# KiCad board cqa02303v4_cad.kicad_pcb (continued)
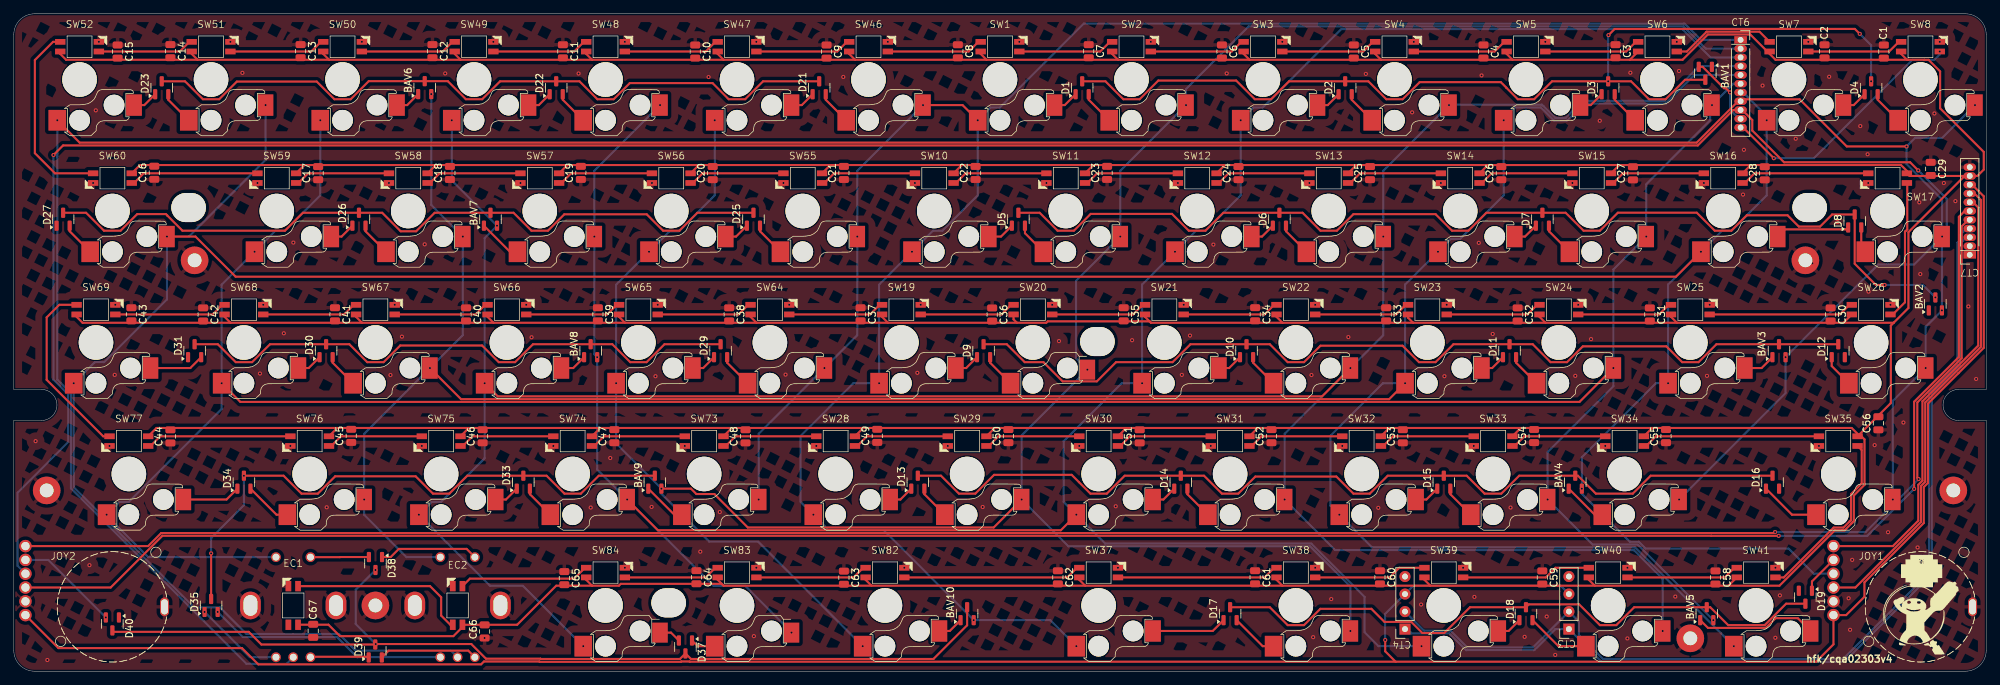
[diagram p0: board, top side]
## Nets (continued)
Net-(D73-DOUT): D73.2 D74.4
Net-(D74-DOUT): D74.2 D75.4
Net-(D75-DOUT): D75.2 D76.4
Net-(D76-DOUT): D76.2 D77.4
Net-(D77-DOUT): D77.2 D78.4
Net-(D78-DOUT): D78.2 D79.4
Net-(D79-DOUT): D79.2 D80.4
Net-(D80-DOUT): D80.2 D81.4
Net-(D81-DOUT): D81.2 D82.4
Net-(D82-DOUT): D82.2 D83.4
Net-(D83-DOUT): D83.2 D84.4
Net-(D84-DOUT): D84.2 D85.4
Net-(D85-DOUT): D85.2 D86.4
Net-(D86-DOUT): D86.2 D87.4
Net-(D87-DOUT): D87.2 D88.4
Net-(D88-DOUT): D88.2 D89.4
Net-(D89-DOUT): D89.2 D90.4
Net-(D90-DOUT): D90.2 D91.4
Net-(D91-DOUT): D91.2 D92.4
Net-(D92-DOUT): D92.2 D93.4
Net-(D93-DOUT): D93.2 D94.4
Net-(D94-DOUT): D94.2 D95.4
Net-(D95-DOUT): D95.2 D96.4
Net-(D96-DOUT): D96.2 D98.4
Net-(D98-DOUT): D98.2 D99.4
Net-(D100-DIN): D99.2 D100.4
Net-(D100-DOUT): D100.2 D101.4
Net-(D101-DOUT): D101.2 D102.4
Net-(D102-DOUT): D102.2 D103.4
Net-(D103-DOUT): D103.2 D104.4
Net-(D104-DOUT): D104.2 D105.4
Net-(D105-DOUT): D105.2 D106.4
Net-(D106-DOUT): D106.2 D107.4
Net-(JOY1-AD1): CT7.7 JOY1.1
Net-(JOY1-AD2): CT7.8 JOY1.4
Net-(JOY2-AD1): CT7.5 JOY2.1
Net-(JOY2-AD2): CT7.6 JOY2.4

Pads without a net: CT7 1 2; D107 2

## Via types
v1: diameter 0.6, hole 0.3, Top to Bottom, 248 vias

## Routing (per net, layer and track width the routed paths; a pad name or vN(x,y) marks a point on that pad's centre or on a via; arc(x,y) is an arc through that point)
+3V3R: length 379.9
  Top w0.3: 200.19,1.37 97.93,1.37 97.9,1.41 96.71,1.41 96.66,1.36 76.18,1.36 76.13,1.41 68.12,1.41 67.7,0.99 35.42,0.99 33.06,3.35 6.46,3.35 JOY2.6 ; 200.19,1.37 261.11,1.37 263.62,3.89 JOY1.6 265.45,8.12 268.11,10.78 268.11,12.87 276.71,21.47 276.71,26.68 277.31,27.28 277.31,38.77 285.4,46.85 285.4,68.8 283.72,70.49 ; 200.19,1.37 198.68,2.88 v1(198.68,4.52)
  Bottom w0.3: CT3.3 224.1,12.38 202.75,12.38 CT4.3 198.66,8.29 198.66,4.54 v1(198.68,4.52)
+5VD: length 1459.6
  Top w0.3: 145.33,50.49 126.64,50.49 ; 145.33,50.49 144.84,50.98 D76.1 ; 145.33,50.49 149.58,50.49 149.79,50.69 164.54,50.69 164.74,50.49 ; 126.64,50.49 107.59,50.49 ; 126.64,50.49 125.79,51.34 D77.1 ; D49.1 121.03,89.44 121.88,88.59 ; D73.1 201.99,51.22 202.72,50.49 ; 64.73,88.59 45.68,88.59 ; 64.73,88.59 83.78,88.59 ; 64.73,88.59 63.87,89.44 D52.1 ; 45.68,88.59 26.63,88.59 ; 45.68,88.59 44.82,89.44 D53.1 ; 123.06,35.24 D89.1 ; 123.06,35.24 104.01,35.24 ; 123.06,35.24 142.11,35.24 ; 183.79,50.49 164.74,50.49 ; 183.79,50.49 182.94,51.34 D74.1 ; 183.79,50.49 202.72,50.49 ; 164.74,50.49 163.89,51.34 D75.1 ; 218.31,35.24 D94.1 ; 218.31,35.24 199.26,35.24 ; 218.31,35.24 237.36,35.24 ; 118.3,73.34 99.25,73.34 ; 118.3,73.34 137.35,73.34 ; 118.3,73.34 D61.1 ; 99.25,73.34 80.2,73.34 ; 99.25,73.34 D60.1 ; D81.1 49.59,51.34 50.44,50.49 ; 265.08,50.49 272.34,50.49 272.38,50.52 ; 265.08,50.49 D70.1 ; 265.08,50.49 240.94,50.49 ; 248.41,12.39 229.04,12.39 ; 248.41,12.39 D98.1 ; 248.41,12.39 255.8,12.39 263.82,20.41 265.24,20.41 266.57,21.74 266.57,25.45 268.12,27 268.12,33.59 267.67,34.04 ; 229.04,12.39 228.18,13.24 D99.1 ; 229.04,12.39 205.22,12.39 ; D100.1 204.37,13.24 205.22,12.39 ; 234.12,88.59 241.76,88.59 245.43,92.26 251.57,92.26 254.04,89.79 ; 234.12,88.59 217.13,88.59 ; 234.12,88.59 D43.1 ; D42.1 254.38,89.44 255.23,88.59 274.46,88.59 ; D103.1 123.41,13.24 124.26,12.39 ; 104.01,35.24 D88.1 ; 104.01,35.24 84.96,35.24 ; 142.11,35.24 D90.1 ; 142.11,35.24 161.16,35.24 ; 31.39,50.49 9.96,50.49 9.11,51.34 D83.1 ; 31.39,50.49 50.44,50.49 ; 31.39,50.49 30.54,51.34 D82.1 ; D55.1 6.73,89.44 7.58,88.59 26.63,88.59 ; 274.46,88.59 274.28,88.59 273.42,89.44 D41.1 ; 274.46,88.59 276.8,88.59 276.81,88.58 277.41,88.58 279.08,86.91 279.08,81.56 285.4,75.23 285.4,72.68 284.47,71.76 CT7.10 274.64,71.76 D69.1 274.26,72.48 273.41,73.34 251.65,73.34 ; 83.78,12.39 83.78,12.39 78.59,12.39 72.92,6.73 D106.1 64.99,6.39 63.69,5.08 47.24,5.08 45.58,6.74 41.2,6.74 D107.1 ; 83.78,12.39 82.93,13.24 D105.1 ; 83.78,12.39 87.67,12.39 87.94,12.66 102.56,12.66 102.83,12.39 ; 205.22,12.39 183.79,12.39 ; 183.79,12.39 155.22,12.39 ; 183.79,12.39 182.94,13.24 D101.1 ; 179.03,88.59 159.98,88.59 ; 179.03,88.59 198.08,88.59 ; 179.03,88.59 178.18,89.44 D46.1 ; 159.98,88.59 159.12,89.44 D47.1 ; 159.98,88.59 140.93,88.59 ; 102.83,12.39 124.26,12.39 ; 102.83,12.39 101.97,13.24 D104.1 ; D48.1 140.08,89.44 140.93,88.59 ; 26.63,88.59 25.77,89.44 D54.1 ; 156.4,73.34 137.35,73.34 ; 156.4,73.34 D63.1 ; 156.4,73.34 175.45,73.34 ; 137.35,73.34 D62.1 ; 282.62,71.76 274.48,63.61 274.48,52.62 272.38,50.52 ; 83.78,88.59 82.93,89.44 D51.1 ; 83.78,88.59 102.83,88.59 ; 107.59,50.49 88.54,50.49 ; 107.59,50.49 106.74,51.34 D78.1 ; 88.54,50.49 69.49,50.49 ; 88.54,50.49 87.69,51.34 D79.1 ; 202.72,50.49 221.89,50.49 ; 213.55,73.34 D66.1 ; 213.55,73.34 194.5,73.34 ; 213.55,73.34 232.6,73.34 ; 121.88,88.59 102.83,88.59 ; 121.88,88.59 140.93,88.59 ; 102.83,88.59 101.97,89.44 D50.1 ; 84.96,35.24 D87.1 ; 84.96,35.24 65.91,35.24 ; 217.13,88.59 216.28,89.44 D44.1 ; 217.13,88.59 198.08,88.59 ; 65.91,35.24 D86.1 ; 65.91,35.24 46.86,35.24 ; 272.38,50.52 271.93,50.07 271.93,38.85 D96.1 267.12,34.38 266.26,35.24 237.36,35.24 ; 198.08,88.59 197.22,89.44 D45.1 ; 199.26,35.24 180.21,35.24 ; 199.26,35.24 D93.1 ; 180.21,35.24 D92.1 ; 180.21,35.24 161.16,35.24 ; 194.5,73.34 D65.1 ; 194.5,73.34 175.45,73.34 ; 221.89,50.49 240.94,50.49 ; 221.89,50.49 221.04,51.34 D72.1 ; 240.94,50.49 240.09,51.34 D71.1 ; 155.22,12.39 154.36,13.24 D102.1 ; 155.22,12.39 124.26,12.39 ; 80.2,73.34 61.15,73.34 ; 80.2,73.34 D59.1 ; 61.15,73.34 D58.1 ; 61.15,73.34 42.1,73.34 ; D80.1 68.64,51.34 69.49,50.49 ; 237.36,35.24 D95.1 ; 175.45,73.34 D64.1 ; 50.44,50.49 69.49,50.49 ; 251.65,73.34 232.6,73.34 ; 251.65,73.34 D68.1 ; 232.6,73.34 D67.1 ; 46.86,35.24 20.67,35.24 D84.1 ; 46.86,35.24 D85.1 ; 161.16,35.24 D91.1 ; 42.1,73.34 18.29,73.34 D56.1 ; 42.1,73.34 D57.1
GNDR:
  vias: v1(3.16,33.33) v1(4.86,1.62) v1(10.96,15.36) v1(11.49,70.74) v1(11.88,81.26) v1(12.32,91.19) v1(13.87,32.64) v1(14.62,42.93) v1(14.71,53.09) v1(31.37,91.19) v1(33.12,86.69) v1(35.3,70.74) v1(35.66,43.13) v1(36.14,53.09) v1(39.12,48.96) v1(40.06,32.64) v1(40.5,62.1) v1(45.33,23.75) v1(50.43,91.19) v1(54.35,70.74) v1(54.57,42.91) v1(55.19,53.09) v1(56.23,48.47) v1(59.11,32.64) v1(59.53,61.85) v1(62.5,86.61) v1(68.21,4.81) v1(69.47,91.19) v1(73.4,70.74) v1(74.24,53.09) v1(75.01,48.38) v1(78.16,32.64) v1(81.82,86.6) v1(83.58,23.71) v1(86.41,30.89) v1(88.53,91.19) v1(88.53,14.99) v1(92.4,23.8) v1(92.45,70.74) v1(92.96,42.74) v1(93.29,53.09) v1(97.21,32.64) v1(99.45,17.32) v1(100.66,86.09) v1(102.28,23.06) v1(107.22,5.08) v1(107.58,91.19) v1(107.58,14.99) v1(111.5,70.74) v1(111.81,42.97) v1(112.34,53.09) v1(116.26,32.64) v1(120.17,86.1) v1(126.62,91.19) v1(129.01,14.99) v1(130.55,70.74) v1(130.9,43.23) v1(131.39,53.09) v1(135.31,32.64) v1(140.37,23.79) v1(145.68,91.19) v1(149.6,70.74) v1(150.44,53.09) v1(151.42,47.83) v1(154.36,32.64) v1(159.64,23.9) v1(159.96,14.99) v1(162.01,47.96) v1(164.72,91.19) v1(168.65,70.74) v1(169.22,42.93) v1(169.49,53.09) v1(170.4,48.63) v1(173.41,32.64) v1(173.79,61.81) v1(175.72,86.61) v1(183.78,91.19) v1(187.7,70.74) v1(188,42.91) v1(188.24,4.93) v1(188.54,53.09) v1(188.54,14.99) v1(190.86,10.45) v1(192.46,32.64) v1(193.34,48.41) v1(195.88,86.54) v1(197.68,23.67) v1(202.58,80.97) v1(202.83,91.19) v1(203.88,9.66) v1(206.75,70.74) v1(207.26,42.74) v1(207.59,53.09) v1(209.97,14.99) v1(211.51,32.64) v1(211.6,10.76) v1(212.24,62.06) v1(212.64,86.32) v1(214.26,48.86) v1(216.84,23.71) v1(218.88,4.98) v1(221.88,91.19) v1(222.08,7.92) v1(223.31,2.36) v1(225.8,70.74) v1(226.22,42.79) v1(226.64,53.09) v1(228.5,48.12) v1(229.77,79.75) v1(230.56,32.64) v1(233.78,14.99) v1(233.77,4.75) v1(234.2,86.71) v1(240.71,10.81) v1(240.92,91.19) v1(241.25,86.96) v1(244.85,70.74) v1(245.3,42.79) v1(245.69,53.09) v1(250.52,69.06) v1(250.65,75.54) v1(253.35,84.85) v1(255.2,4.84) v1(255.21,14.99) v1(255.86,10.99) v1(258.16,77.15) v1(259.97,91.19) v1(260.55,59.09) v1(261.52,32.64) v1(263,86.13) v1(264.19,65.08) v1(265.82,10.57) v1(266.03,6) v1(266.33,16.13) v1(267.51,78.98) v1(268.57,74.9) v1(268.66,70.74) v1(268.7,55) v1(269.59,32.76) v1(271.53,20.14) v1(271.88,53.09) v1(273.76,36.03) v1(275.81,17.93) v1(276.05,67.93) v1(276.2,57.54) v1(278.25,80.81) v1(279.02,91.19) v1(279.62,70.73) v1(281.29,68.11) v1(283.17,52.85) v1(284.29,42.34)
/LED/LED_DIN: length 37
  Top w0.3: 250.54,78.77 v1(254.98,74.33)
  Bottom w0.3: v1(279.02,89.79) 279.02,89.37 278.24,88.58 275.04,88.58 260.8,74.33 v1(254.98,74.33)
COL1: length 310.7
  Top w0.3: v1(139.65,79.83) 137.45,82.03 v1(131.72,82.03)
  Bottom w0.3: v1(131.72,82.03) 122.2,72.5 v1(122.2,62.98) 122.2,48.69 v1(117.44,43.93) 107.91,34.4 v1(107.91,24.88) ; CT6.1 244.41,91.47 242.05,93.83 155.01,93.83 142.86,81.68 141.5,81.68 v1(139.65,79.83) 139.65,68.94 134.53,63.82 133.17,63.82 v1(130.12,60.78) 125.36,56.01 v1(125.36,41.73) 121.62,41.73 113.98,34.08 113.98,24.53 v1(115.84,22.68) 118.05,20.46 126,20.46 v1(139.06,7.4) 150.17,7.4 v1(153.94,3.62)
COL2: length 373.5
  Top w0.3: v1(146.01,24.88) 141.96,20.82 106.34,20.82 101.49,25.67 98.89,25.67 98.11,26.45 93.82,26.45
  Bottom w0.3: v1(193.64,5.83) 193.64,12.26 187.79,18.1 152.79,18.1 v1(146.01,24.88) 146.01,34.17 v1(155.53,43.69) 153.89,45.33 153.89,56.56 v1(160.3,62.98) 160.3,72.5 v1(169.83,82.03) 169.83,84.35 178.91,93.43 241.89,93.43 245.12,90.2 CT6.2 ; v1(122.98,3.62) 107.83,18.78 100.75,18.78 93.82,25.71 v1(93.82,26.45) 87.26,33 v1(87.26,41.73) 87.26,56.01 v1(92.03,60.78) 94.99,63.74 96.35,63.74 101.55,68.94 v1(101.55,79.83)
COL3: length 374.3
  Top w0.3: v1(88.86,24.88) 93.31,20.42 151.69,20.42 v1(153.94,22.68)
  Bottom w0.3: v1(93.62,82.03) 84.1,72.5 v1(84.1,62.98) 84.1,45.92 v1(84.52,45.5) 84.52,29.22 v1(88.86,24.88) 101.36,12.38 105.96,12.38 112.67,5.66 v1(112.67,5.59) ; v1(203.94,3.62) 197.72,3.62 195.7,5.64 195.7,10.76 187.96,18.5 158.11,18.5 v1(153.94,22.68) 152.1,24.51 152.1,33.33 160.5,41.73 v1(163.46,41.73) 163.46,56.01 v1(168.22,60.78) 171.27,63.82 172.63,63.82 177.75,68.94 v1(177.75,79.83) 179.6,81.68 180.96,81.68 192.31,93.03 241.72,93.03 245.82,88.93 CT6.3
COL4: length 405.2
  Top w0.3: v1(193.64,43.93) 189.53,39.82 70.12,39.82 v1(68.21,41.73)
  Bottom w0.3: v1(238.88,5.83) 238.88,13.36 234.7,17.55 191.44,17.55 v1(184.11,24.88) 184.11,34.4 v1(193.64,43.93) 198.4,48.69 v1(198.4,62.98) 198.4,72.5 v1(207.92,82.03) 207.98,82.08 221.41,82.08 223.31,80.17 224.84,80.17 227.32,82.65 239.17,82.65 244.18,87.66 CT6.4 ; v1(63.45,79.83) 63.45,71.1 v1(70.01,64.55) 68.21,62.75 v1(68.21,41.73) 68.21,30.84 61.9,24.53 60.54,24.53 v1(58.69,22.68) 68.99,12.38 73.75,12.38 v1(82.5,3.62)
COL5: length 401
  Top w0.3: v1(60.29,43.93) 64.79,39.42 199.26,39.42 v1(201.56,41.73)
  Bottom w0.3: v1(60.48,83.62) 60.48,67.54 v1(65.05,62.98) 65.05,48.69 v1(60.29,43.93) 50.76,34.4 v1(50.76,24.88) 50.76,22.66 56.9,16.53 EC2.1 ; CT6.5 243.48,86.39 239.34,82.25 227.48,82.25 225.01,79.77 223.14,79.77 221.24,81.68 217.48,81.68 215.85,80.05 v1(215.85,79.83) 215.85,68.94 209.53,62.63 208.18,62.63 v1(206.33,60.78) 201.56,56.01 v1(201.56,41.73) 198.35,41.73 190.75,34.12 190.75,23.96 v1(192.04,22.68) 196.76,17.95 234.86,17.95 v1(249.19,3.62)
COL6: length 407.6
  Top w0.3: v1(231.74,43.93) 226.83,39.02 32.82,39.02 v1(30.11,41.73)
  Bottom w0.3: 245.75,81.75 v1(246.03,82.03) ; 245.75,81.75 249.12,85.12 CT6.6 ; 245.75,81.75 245.75,79.81 236.5,70.56 v1(236.5,62.98) 231.74,58.21 v1(231.74,43.93) 231.74,41.29 222.21,31.76 v1(222.21,24.88) 228.74,18.35 235.26,18.35 v1(246.22,7.4) ; v1(44.4,79.83) 44.4,68.94 39.28,63.82 37.92,63.82 v1(34.87,60.78) 30.11,56.01 v1(30.11,41.73) 30.11,37.99 16.65,24.53 15.29,24.53 v1(13.44,22.68) 13.44,22.55 19.46,16.53 EC1.1
COL7: length 475.2
  Top w0.3: v1(22.19,62.98) 26.32,62.98 32.14,57.16 240.81,57.16 v1(244.42,60.78)
  Bottom w0.3: JOY1.3 260.77,14.12 257.13,17.77 236.41,17.77 235.43,18.75 234.13,18.75 227.17,25.71 v1(227.17,26.45) 227.17,30.99 237.9,41.73 v1(239.66,41.73) 239.66,56.01 v1(244.42,60.78) 247.47,63.82 248.83,63.82 253.95,68.94 v1(253.95,79.83) 253.95,80.44 250.53,83.85 ; EC2.5 63.34,2.98 49.55,2.98 49.55,2.97 47.13,5.39 33.71,5.39 29.86,9.24 26.1,9.24 8.68,26.66 v1(8.68,41.73) 11.73,44.77 13.09,44.77 22.19,53.87 v1(22.19,62.98) 25.37,62.98 36.48,74.08 v1(36.48,82.03)
COL8: length 455.7
  Top w0.3: 250.45,82.86 258.72,82.86 265.55,76.03 v1(274.21,76.03) ; 249.8,82.58 243.81,76.58 9.54,76.58 v1(6.3,79.83)
  Bottom w0.3: v1(6.3,79.83) 6.3,75.02 6.3,75.02 6.3,74.56 6.3,74.56 6.3,42.25 8.28,40.27 8.28,26.49 33.7,1.07 39.53,1.07 EC1.5 ; v1(284.12,82.03) 279.37,77.27 275.45,77.27 v1(274.21,76.03) 274.21,73.48 279.36,68.33 v1(279.36,62.98) 275.31,58.92 270.11,58.92 v1(256.68,45.5) 256.68,40.29 v1(241.26,24.88)
COL9: length 394.6
  Top w0.3: v1(5.75,74.79) 7.14,76.18 243.97,76.18 249.1,81.31 249.96,81.31 ; v1(275.9,72.56) 274.73,73.74 256.46,73.74 251.86,78.34 251.86,79.86 250.41,81.31
  Bottom w0.3: v1(275.9,72.56) 280.03,68.43 280.03,62.85 279.33,62.14 v1(279.33,52.28) 279.33,52.26 276.98,49.91 v1(276.98,43.93) 272.22,39.16 v1(272.22,24.88) ; JOY2.3 0.54,15.28 0.54,25.86 7.88,33.2 7.88,40.11 5.74,42.25 5.74,74.78 v1(5.75,74.79)
COL10: length 10.4
  Top w0.3: v1(248.64,83.86) 248.03,84.47 247.76,84.47 244.66,87.57 BAV1.2
  Bottom w0.3: 249.96,80.04 248.64,81.36 248.64,83.86 v1(248.64,83.86)
EC1A: length 13.1
  Bottom w0.3: EC1.3 34.2,2.03 v1(27.64,8.59)
EC1B: length 8.5
  Top w0.3: D39.1 51.32,2.09 42.99,2.09 42.98,2.08
EC1H: length 8.5
  Top w0.3: D38.2 47.26,16.54 47.25,16.53 EC1.2
EC2A: length 35
  Bottom w0.3: v1(29.54,8.59) 33.17,4.95 46.82,4.95 49.74,2.03 EC2.3
EC2B: length 14.3
  Top w0.3: D39.2 54.3,2.98 65.84,2.98 EC2.4
EC2H: length 14.4
  Top w0.3: D38.1 54.6,16.54 55.78,17.72 65.6,17.72 EC2.2
JOY1: length 5.8
  Top w0.3: D19.1 260.51,13.01 JOY1.2
JOY2: length 15.1
  Bottom w0.3: JOY2.2 4.99,16.12 v1(13.33,7.79)
ROW1: length 152.5
  Top w0.3: v1(231.03,92.16) 231.93,93.06 266.72,93.06 v1(267.44,92.34) ; D1.3 158.15,85.47 160.74,82.87 163.11,82.87 165.81,85.58 177.09,85.58 179.79,82.87 182.16,82.87 184.75,85.47 D2.3 196.24,85.47 198.84,82.87 201.21,82.87 203.68,85.35 215.43,85.35 216.22,84.56 216.22,84.54 217.89,82.87 220.26,82.87 222.85,85.47 v1(230.98,85.47) 234.3,85.47 236.9,82.87 239.31,82.87 242.12,85.69 BAV1.3
  Bottom w0.3: v1(230.98,85.47) 230.98,92.11 v1(231.03,92.16) ; v1(269.08,85.47) 269.08,90.7 v1(267.44,92.34)
ROW2: length 155.9
  Top w0.3: v1(271.03,55.96) 269.78,55.96 266.7,59.04 D8.3 263.43,66.17 261.68,64.42 258.61,64.42 256.97,66.06 251.07,66.06 248.83,63.82 246.43,63.82 243.82,66.43 232.39,66.43 229.78,63.82 227.42,63.82 224.82,66.42 D7.3 213.33,66.42 210.73,63.82 208.37,63.82 205.97,66.22 194.08,66.22 191.68,63.82 189.31,63.82 186.71,66.42 D6.3 175.23,66.42 172.63,63.82 170.23,63.82 167.79,66.26 156.02,66.26 153.58,63.82 151.22,63.82 148.62,66.42 D5.3
  Bottom w0.3: v1(271.03,55.96) 276.57,55.96 v1(278.38,54.15)
ROW3: length 136.5
  Top w0.3: D12.3 BAV3.3 246.67,47.37 244.07,44.77 241.71,44.77 239.41,47.07 227.31,47.07 225.02,44.77 222.65,44.77 220.05,47.37 D11.3 208.57,47.37 205.97,44.77 203.58,44.77 201.19,47.16 189.3,47.16 186.92,44.77 184.56,44.77 181.96,47.37 D10.3 170.47,47.37 167.87,44.77 159.69,44.77 156.91,41.99 151.95,41.99 149.17,44.77 146.46,44.77 143.86,47.37 D9.3
ROW4: length 136.7
  Top w0.3: D13.3 134.33,28.32 136.93,25.72 139.29,25.72 142.02,28.45 153.26,28.45 154.31,27.4 154.31,27.39 155.98,25.72 158.34,25.72 160.94,28.32 D14.3 172.43,28.32 175.03,25.72 177.39,25.72 179.87,28.2 191.61,28.2 194.08,25.72 196.44,25.72 199.04,28.32 D15.3 210.49,28.32 213.09,25.72 215.49,25.72 218.09,28.32 BAV4.3 226.6,28.32 229.2,25.72 234.54,25.72 237.14,28.32 D16.3
ROW5: length 93.3
  Top w0.3: D19.3 256.76,9.78 253.65,6.67 248.37,6.67 245.77,9.27 BAV5.3 234.76,9.27 232.16,6.67 229.79,6.67 226.77,9.69 219.49,9.69 D18.3 210.97,9.27 207.23,5.53 204.07,5.53 202.45,7.15 198.57,7.15 196.68,9.04 189.28,9.04 186.92,6.67 184.56,6.67 181.96,9.27 D17.3
ROW6: length 105.8
  Top w0.3: D21.3 108.55,85.47 105.96,82.87 103.57,82.87 101.23,85.21 89.24,85.21 86.91,82.87 84.54,82.87 81.95,85.47 D22.3 70.45,85.47 67.86,82.87 65.49,82.87 62.88,85.49 BAV6.3 51.42,85.49 48.81,82.87 46.44,82.87 43.89,85.43 32.31,85.43 29.76,82.87 27.39,82.87 24.8,85.47 D23.3
ROW7: length 110.5
  Top w0.3: D25.3 99.03,66.42 96.43,63.82 94.07,63.82 91.69,66.2 79.76,66.2 77.38,63.82 75,63.82 72.4,66.42 BAV7.3 60.97,66.42 58.29,63.74 56.05,63.74 53.37,66.42 D26.3 41.88,66.42 39.28,63.82 24.44,63.82 22.23,66.03 22.23,66.04 22.04,66.23 17.87,66.23 15.47,63.82 13.07,63.82 10.47,66.42 D27.3
ROW8: length 84.7
  Top w0.3: D31.3 29.56,47.37 32.16,44.77 34.52,44.77 37.12,47.37 D30.3 48.61,47.37 51.21,44.77 53.57,44.77 55.98,47.19 67.84,47.19 70.26,44.77 72.62,44.77 75.22,47.37 BAV8.3 86.71,47.37 89.31,44.77 91.67,44.77 94.27,47.37 D29.3
ROW9: length 85.7
  Top w0.3: v1(28.59,17.08) D35.3 ; BAV9.3 84.74,28.32 82.14,25.72 79.78,25.72 77.18,28.32 D33.3 65.69,28.32 63.09,25.72 60.73,25.72 58.22,28.24 46.56,28.24 44.04,25.72 41.68,25.72 39.08,28.32 v1(33.34,28.32)
  Bottom w0.3: v1(28.59,17.08) 28.59,19.29 33.34,24.04 v1(33.34,28.32)
ROW10: length 144
  Top w0.3: D40.3 14.49,5.7 34.04,5.7 35.87,3.87 D39.3 v1(52.43,3.93) 66.29,3.93 68.41,1.81 76.3,1.81 76.34,1.77 96.5,1.77 D37.3 98.1,1.77 133.23,1.77 138.11,6.65 BAV10.3
  Bottom w0.3: v1(52.4,14.66) 49.53,11.8 49.53,6.83 v1(52.43,3.93)
Net-(BAV3-K-Pad1): length 4.6
  Top w0.3: BAV3.1 253.21,43.93 SW25.1
Net-(BAV4-K-Pad1): length 5.3
  Top w0.3: BAV4.1 229.04,22.68
Net-(BAV5-K-Pad1): length 17.8
  Top w0.3: SW41.1 258.46,7.68 255.23,7.68 253.82,6.27 245.44,6.27 BAV5.1
Net-(BAV6-K-Pad1): length 3.7
  Top w0.3: BAV6.1 56.99,82.03 SW50.1
Net-(BAV7-K-Pad1): length 5.3
  Top w0.3: BAV7.1 71.88,60.78
Net-(BAV8-K-Pad1): length 3.9
  Top w0.3: SW66.1 81.05,43.93 BAV8.1
Net-(BAV9-K-Pad1): length 5.3
  Top w0.3: BAV9.1 95.69,22.68
Net-(BAV10-K-Pad1): length 3.7
  Top w0.3: BAV10.1 135.59,5.83 SW82.1
Net-(CT3-Pad1): length 136.9
  Bottom w0.3: 201.73,6.27 202.52,5.48 207.96,5.48 210.39,3.05 220.28,3.05 223.33,6.1 CT3.1 229.97,1.42 230,1.42 230.07,1.35 265.17,1.35 277.86,14.04 277.86,40.2 281.97,44.31 281.97,61.94 282.9,62.87
Net-(CT3-Pad2): length 141.5
  Bottom w0.3: CT4.2 204.3,5.88 208.13,5.88 210.56,3.45 220.11,3.45 CT3.2 226.74,7.19 226.74,5.25 230.24,1.75 265,1.75 277.46,14.21 277.46,40.37 281.57,44.48 281.57,62.1 281.98,62.51 281.98,63.21 282.9,64.14
Net-(D1-A-Pad1): length 3.7
  Top w0.3: SW1.1 152.26,82.03 D1.1
Net-(D1-A-Pad2): length 5
  Top w0.3: 155.73,83.6 155.73,82.79 SW2.2
Net-(D2-A-Pad1): length 3.7
  Top w0.3: SW3.1 190.36,82.03 D2.1
Net-(D2-A-Pad2): length 5
  Top w0.3: SW4.2 193.83,82.79 193.83,83.6
Net-(D3-A-Pad1): length 3.7
  Top w0.3: D3.1 228.46,82.03 SW5.1
Net-(D3-A-Pad2): length 5
  Top w0.3: SW6.2 231.93,82.79 D3.2
Net-(D4-A-Pad1): length 3.7
  Top w0.3: SW7.1 266.56,82.03 D4.1
Net-(D4-A-Pad2): length 5
  Top w0.3: 270.03,83.6 270.03,82.79 SW8.2
Net-(D5-A-Pad1): length 4
  Top w0.3: SW10.1 143.02,62.98 D5.1
Net-(D5-A-Pad2): length 4.9
  Top w0.3: SW11.2 146.49,63.46 D5.2
Net-(D6-A-Pad1): length 3.7
  Top w0.3: D6.1 180.83,62.98 SW12.1
Net-(D6-A-Pad2): length 5
  Top w0.3: D6.2 184.31,63.74 SW13.2
Net-(D7-A-Pad1): length 3.7
  Top w0.3: SW14.1 218.93,62.98 D7.1
Net-(D7-A-Pad2): length 5
  Top w0.3: D7.2 222.41,63.74 SW15.2
Net-(D8-A-Pad1): length 10.7
  Top w0.3: SW16.1 256.59,64.02 265.48,64.02 D8.1
Net-(D8-A-Pad2): length 2.9
  Top w0.3: D8.2 267.65,61.36
Net-(D9-A-Pad1): length 3.7
  Top w0.3: SW19.1 137.97,43.93 D9.1
Net-(D9-A-Pad2): length 5
  Top w0.3: D9.2 141.44,44.69 SW20.2
Net-(D10-A-Pad1): length 3.7
  Top w0.3: SW21.1 176.07,43.93 D10.1
Net-(D10-A-Pad2): length 5
  Top w0.3: SW22.2 179.54,44.69 D10.2
Net-(D11-A-Pad1): length 3.7
  Top w0.3: D11.1 214.17,43.93 SW23.1
Net-(D11-A-Pad2): length 5
  Top w0.3: SW24.2 217.64,44.69 D11.2
Net-(D12-A-Pad1): length 4.8
  Top w0.3: D12.1 263.37,44.21 SW26.2
Net-(D13-A-Pad1): length 3.7
  Top w0.3: SW28.1 128.45,24.88 D13.1
Net-(D13-A-Pad2): length 5
  Top w0.3: SW29.2 131.92,25.64 D13.2
Net-(D14-A-Pad1): length 3.7
  Top w0.3: SW30.1 166.55,24.88 D14.1
Net-(D14-A-Pad2): length 5
  Top w0.3: SW31.2 170.02,25.64 D14.2
Net-(D15-A-Pad1): length 3.7
  Top w0.3: SW32.1 204.65,24.88 D15.1
Net-(D15-A-Pad2): length 5
  Top w0.3: SW33.2 208.12,25.64 D15.2
Net-(D16-A-Pad1): length 8.8
  Top w0.3: D16.1 257.62,22.68 SW35.2
Net-(D17-A-Pad1): length 10.9
  Top w0.3: D17.1 173.69,5.83 SW37.1
Net-(D17-A-Pad2): length 6.9
  Top w0.3: D17.2 180.93,3.62 SW38.2
Net-(D18-A-Pad1): length 3.7
  Top w0.3: SW39.1 216.55,5.83 D18.1
Net-(D18-A-Pad2): length 9.3
  Top w0.3: SW40.2 223.8,3.62 D18.2
Net-(D21-A-Pad1): length 3.7
  Top w0.3: SW47.1 114.16,82.03 D21.1
Net-(D21-A-Pad2): length 5
  Top w0.3: D21.2 117.63,82.79 SW46.2
Net-(D22-A-Pad1): length 3.7
  Top w0.3: SW49.1 76.06,82.03 D22.1
Net-(D22-A-Pad2): length 5
  Top w0.3: D22.2 79.53,82.79 SW48.2
Net-(D23-A-Pad1): length 3.7
  Top w0.3: D23.1 18.91,82.03 SW52.1
Net-(D23-A-Pad2): length 5
  Top w0.3: SW51.2 22.38,82.79 D23.2
Net-(D25-A-Pad1): length 3.7
  Top w0.3: SW56.1 104.63,62.98 D25.1
Net-(D25-A-Pad2): length 5
  Top w0.3: SW55.2 108.11,63.74 D25.2
Net-(D26-A-Pad1): length 3.7
  Top w0.3: D26.1 47.48,62.98 SW59.1
Net-(D26-A-Pad2): length 5
  Top w0.3: SW58.2 50.96,63.74 D26.2
Net-(D27-A-Pad2): length 5
  Top w0.3: D27.2 8.09,63.74 SW60.2
Net-(D29-A-Pad1): length 3.7
  Top w0.3: D29.1 99.87,43.93 SW65.1
Net-(D29-A-Pad2): length 5
  Top w0.3: D29.2 103.34,44.69 SW64.2
Net-(D30-A-Pad1): length 3.7
  Top w0.3: D30.1 42.72,43.93 SW68.1
Net-(D30-A-Pad2): length 5
  Top w0.3: D30.2 46.19,44.69 SW67.2
Net-(D31-A-Pad2): length 8
  Top w0.3: SW69.1 25.57,43.93 D31.2
Net-(D33-A-Pad1): length 3.7
  Top w0.3: SW75.1 71.3,24.88 D33.1
Net-(D33-A-Pad2): length 5
  Top w0.3: D33.2 74.77,25.64 SW74.2
Net-(D34-A-Pad1): length 8.5
  Top w0.3: SW77.1 30.82,24.88 D34.1
Net-(D34-A-Pad2): length 6.9
  Top w0.3: SW76.2 38.06,22.68 D34.2
Net-(D37-A-Pad1): length 3.6
  Top w0.3: SW83.2 99.08,3.62 D37.1
Net-(D37-A-Pad2): length 3.2
  Top w0.3: D37.2 95.21,5.59 SW84.1
Net-(D41-DOUT): length 13.7
  Top w0.3: D42.4 271.69,89.79 273.09,91.19
Net-(D42-DOUT): length 15.2
  Top w0.3: D42.2 252.91,92.66 245.26,92.66 245.2,92.6 245.2,92.6 242.39,89.79 D43.4
Net-(D43-DOUT): length 13.7
  Top w0.3: D44.4 233.59,89.79 234.99,91.19
Net-(D44-DOUT): length 13.7
  Top w0.3: 215.94,91.19 214.54,89.79 D45.4
Net-(D45-DOUT): length 13.7
  Top w0.3: D46.4 195.49,89.79 196.89,91.19
Net-(D46-DOUT): length 13.7
  Top w0.3: D47.4 176.44,89.79 177.84,91.19
Net-(D47-DOUT): length 13.7
  Top w0.3: 158.79,91.19 157.39,89.79 D48.4
Net-(D48-DOUT): length 13.7
  Top w0.3: D49.4 138.34,89.79 139.74,91.19
Net-(D49-DOUT): length 13.7
  Top w0.3: D50.4 119.29,89.79 120.69,91.19
Net-(D50-DOUT): length 13.7
  Top w0.3: D51.4 100.24,89.79 101.64,91.19
Net-(D51-DOUT): length 13.7
  Top w0.3: 82.59,91.19 81.19,89.79 D52.4
Net-(D52-DOUT): length 13.7
  Top w0.3: D53.4 62.14,89.79 63.54,91.19
Net-(D53-DOUT): length 13.7
  Top w0.3: 44.49,91.19 43.09,89.79 D54.4
Net-(D54-DOUT): length 13.7
  Top w0.3: 25.44,91.19 24.04,89.79 D55.4
Net-(D55-DOUT): length 27.9
  Top w0.3: D56.4 5.97,72.14 3.05,75.06 3.05,88.55 5.69,91.19 D55.2
Net-(D56-DOUT): length 18.5
  Top w0.3: 17.43,70.74 18.82,72.14 D57.4
Net-(D57-DOUT): length 13.7
  Top w0.3: D58.4 42.64,72.14 41.24,70.74
Net-(D58-DOUT): length 13.7
  Top w0.3: D59.4 61.69,72.14 60.29,70.74
Net-(D59-DOUT): length 13.7
  Top w0.3: 79.34,70.74 80.74,72.14 D60.4
Net-(D60-DOUT): length 13.7
  Top w0.3: 98.39,70.74 99.79,72.14 D61.4
Net-(D61-DOUT): length 13.7
  Top w0.3: 117.44,70.74 118.84,72.14 D62.4
Net-(D62-DOUT): length 13.7
  Top w0.3: D63.4 137.89,72.14 136.49,70.74
Net-(D63-DOUT): length 13.7
  Top w0.3: 155.54,70.74 156.94,72.14 D64.4
Net-(D64-DOUT): length 13.7
  Top w0.3: 174.59,70.74 175.99,72.14 D65.4
Net-(D65-DOUT): length 13.7
  Top w0.3: 193.64,70.74 195.04,72.14 D66.4
Net-(D66-DOUT): length 13.7
  Top w0.3: 212.69,70.74 214.09,72.14 D67.4
Net-(D67-DOUT): length 13.7
  Top w0.3: D68.4 233.14,72.14 231.74,70.74
Net-(D68-DOUT): length 18.5
  Top w0.3: D69.4 252.19,72.14 250.79,70.74
Net-(D69-DOUT): length 19.9
  Top w0.3: 272.22,51.69 273.98,53.45 273.98,63.66 274.08,63.76 274.08,63.78 274.31,64.01 274.31,70.69
Net-(D70-DOUT): length 20.8
  Top w0.3: D71.4 264.54,51.69 265.94,53.09
Net-(D71-DOUT): length 13.7
  Top w0.3: 239.75,53.09 238.35,51.69 D72.4
Net-(D72-DOUT): length 13.7
  Top w0.3: 220.7,53.09 219.3,51.69 D73.4
Net-(D73-DOUT): length 13.7
  Top w0.3: 201.65,53.09 200.25,51.69 D74.4
Net-(D74-DOUT): length 13.7
  Top w0.3: D75.4 181.2,51.69 182.6,53.09
Net-(D75-DOUT): length 13.7
  Top w0.3: D76.4 162.15,51.69 163.55,53.09
Net-(D76-DOUT): length 13.7
  Top w0.3: D77.4 143.1,51.69 144.5,53.09
Net-(D77-DOUT): length 13.7
  Top w0.3: D78.4 124.05,51.69 125.45,53.09
Net-(D78-DOUT): length 13.7
  Top w0.3: D79.4 105,51.69 106.4,53.09
Net-(D79-DOUT): length 13.7
  Top w0.3: 87.35,53.09 85.95,51.69 D80.4
Net-(D80-DOUT): length 13.7
  Top w0.3: D81.4 66.9,51.69 68.3,53.09
Net-(D81-DOUT): length 13.7
  Top w0.3: 49.25,53.09 47.85,51.69 D82.4
Net-(D82-DOUT): length 16.1
  Top w0.3: 30.2,53.09 28.8,51.69 D83.4
Net-(D83-DOUT): length 26.6
  Top w0.3: D83.2 6.59,53.09 4.76,51.26 4.76,42.22 12.94,34.04 D84.4
Net-(D84-DOUT): length 20.8
  Top w0.3: D85.4 21.21,34.04 19.81,32.64
Net-(D85-DOUT): length 13.7
  Top w0.3: D86.4 47.4,34.04 46,32.64
Net-(D86-DOUT): length 13.7
  Top w0.3: D87.4 66.45,34.04 65.05,32.64
Net-(D87-DOUT): length 13.7
  Top w0.3: 84.1,32.64 85.5,34.04 D88.4
Net-(D88-DOUT): length 13.7
  Top w0.3: 103.15,32.64 104.55,34.04 D89.4
Net-(D89-DOUT): length 13.7
  Top w0.3: D90.4 123.6,34.04 122.2,32.64
Net-(D90-DOUT): length 13.7
  Top w0.3: 141.25,32.64 142.65,34.04 D91.4
Net-(D91-DOUT): length 13.7
  Top w0.3: D92.4 161.7,34.04 160.3,32.64
Net-(D92-DOUT): length 13.7
  Top w0.3: D93.4 180.75,34.04 179.35,32.64
Net-(D93-DOUT): length 13.7
  Top w0.3: D94.4 199.8,34.04 198.4,32.64
Net-(D94-DOUT): length 13.7
  Top w0.3: D95.4 218.85,34.04 217.45,32.64
Net-(D95-DOUT): length 25.6
  Top w0.3: 236.5,32.64 237.9,34.04 D96.4
Net-(D96-DOUT): length 26
  Top w0.3: D96.2 267.72,32.04 267.72,27.21 266.17,25.66 266.17,21.91 265.07,20.81 263.65,20.81 256.43,13.59 D98.4
Net-(D98-DOUT): length 16.1
  Top w0.3: D99.4 247.88,13.59 249.28,14.99
Net-(D100-DIN): length 18.8
  Top w0.3: D99.2 223.35,14.99 221.95,13.59 D100.4
Net-(D100-DOUT): length 16.4
  Top w0.3: D100.2 200.72,14.99 199.33,13.59 D101.4
Net-(D101-DOUT): length 23.2
  Top w0.3: D102.4 181.2,13.59 182.6,14.99
Net-(D102-DOUT): length 25.6
  Top w0.3: D103.4 152.62,13.59 154.03,14.99
Net-(D103-DOUT): length 16.1
  Top w0.3: 123.07,14.99 121.67,13.59 D104.4
Net-(D104-DOUT): length 13.7
  Top w0.3: D105.4 100.24,13.59 101.64,14.99
Net-(D105-DOUT): length 19
  Top w0.3: D105.2 82.75,14.99 81.18,13.41 66.08,13.41 D106.4
Net-(D106-DOUT): length 26.3
  Top w0.3: D106.2 63.25,6.73 61.91,8.06 61.91,10.72 60.3,12.33 D107.4
Net-(JOY1-AD1): length 63.9
  Top w0.3: 283.84,67.95 284.6,67.19 284.6,47.19 276.51,39.1 276.51,27.61 275.91,27.01 275.91,21.81 272.23,18.12 JOY1.1
Net-(JOY1-AD2): length 68.2
  Top w0.3: JOY1.4 266.79,12.12 276.31,21.64 276.31,26.84 276.91,27.44 276.91,38.93 285,47.02 285,68.26 284.04,69.22
Net-(JOY2-AD1): length 319
  Top w0.3: 283.16,65.41 282.19,64.43 282.19,45.36 275.77,38.94 275.77,28.03 v1(275.96,27.84) ; v1(255.17,20.16) 255.03,20.02 21.36,20.02 19.46,18.12 JOY2.1
  Bottom w0.3: v1(275.96,27.84) 268.28,20.16 v1(255.17,20.16)
Net-(JOY2-AD2): length 322.9
  Top w0.3: v1(255.69,19.61) 245.93,19.61 245.92,19.62 21.53,19.62 14.03,12.12 JOY2.4 ; 282.64,66.68 281.79,65.83 281.79,45.53 275.31,39.05 v1(275.31,26.41)
  Bottom w0.3: v1(275.31,26.41) 275.31,26.4 268.52,19.61 v1(255.69,19.61)
